# Altium PCB GL3520.PcbDoc (continued)
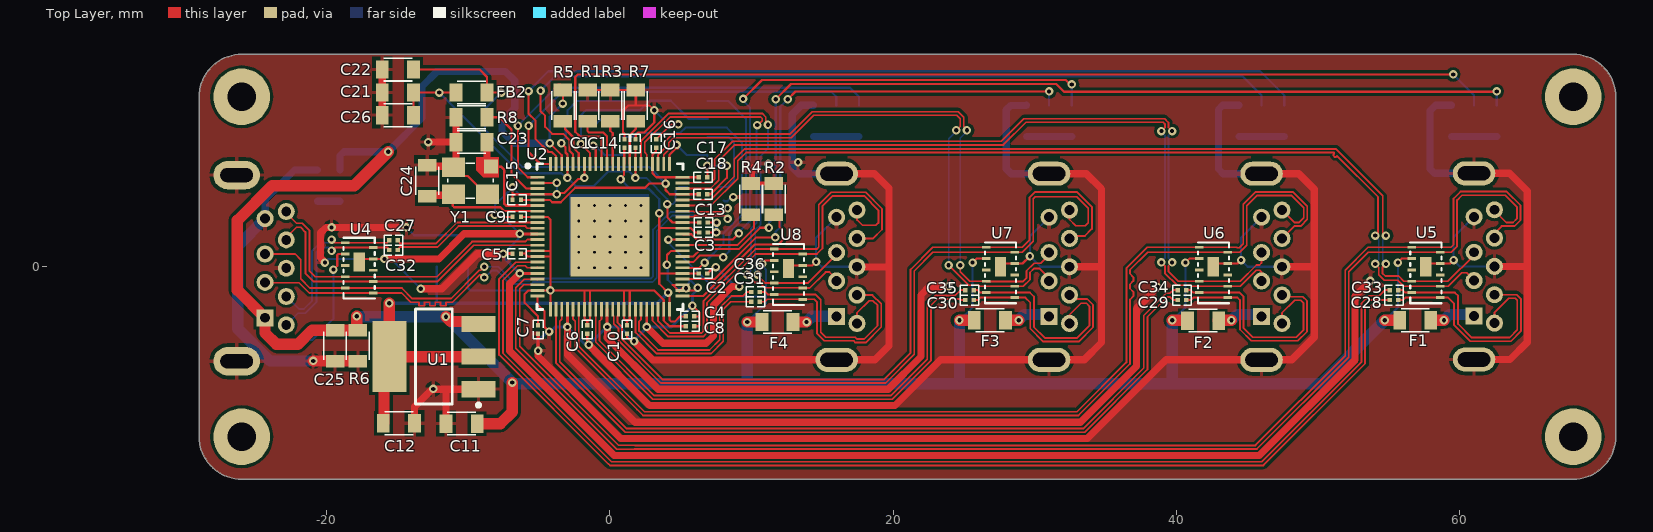
[diagram p0: Top Layer view]
## Nets (pads, with @x,y where several pads share a name; then routed paths per layer and width w, separated by ;. In a path a pad name is that pad's centre, name@x,y a point inside that pad or via, vN(x,y) a via of type N, cw(c..) or ccw(c..) an arc to the next point about the centre after c; other vN are vias at no path point) (continued)
  Bottom Layer w0.127: v1(-8.875,0) -7.895,0 -6.93,-0.965 -5.675,-0.965 -5.534,-0.825 2.9,-0.825 3.046,-0.679 3.046,2.63 4.291,3.875 8.125,3.875 8.35,4.1 8.325,4.125 v1(8.3,4.125)
D1_N: U2.61 U5.4 USB2.2 | length 66.5
  Top Layer w0.127: U2.61 7.125,4.325 9.025,6.225 9.025,7.471 9.621,8.067 51.133,8.067 51.133,7.988 51.071,7.926 51.071,7.854 51.179,7.746 51.251,7.746 51.32,7.815 51.335,7.815 54.225,4.925 54.225,2.4 v1(54.025,2.2) ; v1(54.025,0.2) 54.1,0.2 54.125,0.175 54.088,0.138 54.275,-0.05 54.275,-0.559 54.665,-0.948 55.614,-0.948 56.041,-1.375 U5.4 58.761,-1.375 59.175,-1.375 60.125,-0.425 60.498,-0.425 61,-0.927 USB2.2
  Bottom Layer w0.127: v1@54.025,0.263 54.273,0.511 ; v1(54.025,2.2) 54.025,2.138 54.273,1.89 54.273,0.525
D1_P: U2.62 U5.3 USB2.3 | length 66.6
  Top Layer w0.127: U2.62 7.125,4.725 8.771,6.371 8.771,7.576 9.515,8.321 51.239,8.321 54.554,5.005 54.554,3.05 ; 54.55,3.2 54.55,2.35 54.7,2.201 v1(54.775,2.201) ; v1(54.775,0.2) 54.529,-0.046 54.529,-0.454 54.725,-0.65 55.675,-0.65 56.05,-1.025 U5.3 59.15,-1.025 61,0.825 USB2.3
  Bottom Layer w0.127: v1(54.775,0.2) 54.775,0.263 54.55,0.488 54.55,1.913 v1@54.775,2.138
D1V2: C1.2 C2.2 C3.2 C4.2 C12.2 C19.2 FB1.2 U1.0 U1.2 U2.44 U2.49 U2.57 U2.75 | length 59.1
  Top Layer w0.152: v1(0.75,6.175) 0.75,6.25 1,6.5 U2.75 1.012,7.262 1.012,8.387 C1.2 ; v1(3.475,3.775) 3.475,2.725 ; C4.2 4.95,-3.5 4.575,-3.875 4.325,-3.875 4.2,-3.75 U2.44 4.2,-1.925 v1(4.1,-1.825) 3.475,-1.2 3.475,-0.475 ; C2.2 U2.49 5.122,-0.472 3.917,-0.472 3.914,-0.475 3.475,-0.475 ; C3.2 6.025,2.425 5.725,2.725 U2.57 3.475,2.725 ; 3.475,-0.475 3.475,2.725
  Top Layer w0.8: C12.2 -15.95,-11 -15.95,-6.711 U1.0 ; v1(-15.575,-2.575) -15.579,-2.579 U1.0 ; U1.2 U1.0
  Bottom Layer w0.152: -12.25,-2.575 -12.225,-2.55 FB1.2 -12.225,0 C19.2 ; v1(0.75,6.175) 1.4,5.525 2.725,5.525 3.475,4.775 v1(3.475,3.775)
  Bottom Layer w0.254: v1(-15.575,-2.575) -12.25,-2.575 -6.75,-2.575 3.35,-2.575 v1(4.1,-1.825)
D2_N: U2.64 U6.4 USB3.2 | length 56.1
  Top Layer w0.127: U2.64 5.525,5.525 7.1,5.525 7.675,6.1 7.675,7.471 8.804,8.6 27.775,8.6 29.371,10.196 39.054,10.196 39.175,10.075 39.175,9.826 v1(38.929,9.58) ; v1(38.929,0.305) 39.004,0.305 39.029,0.28 38.991,0.243 39.179,0.055 39.179,-0.454 40.034,-1.309 41.019,-1.309 41.084,-1.375 U6.4 44.498,-1.375 45.623,-0.25 45.869,-0.25 46,-0.381 USB3.2
  Bottom Layer w0.127: v1@38.929,0.368 39.177,0.616 ; v1(38.929,9.58) 38.929,9.517 39.177,9.269 39.177,0.625
D2_P: U2.65 U6.3 USB3.3 | length 55.8
  Top Layer w0.127: U2.65 7.125,5.925 7.375,6.175 7.375,7.57 8.655,8.85 8.695,8.85 8.699,8.854 27.629,8.854 29.225,10.45 39.159,10.45 39.429,10.18 39.429,9.83 39.616,9.643 39.579,9.605 39.604,9.581 v1(39.679,9.581) ; 39.433,0.059 39.433,-0.349 40.109,-1.025 U6.3 44.489,-1.025 45.641,0.127 45.852,0.127 46,0.275 USB3.3
  Bottom Layer w0.127: 39.431,0.616 39.679,0.368 v1(39.679,0.305) ; 39.431,0.625 39.431,9.27 v1@39.679,9.518
D3_N: U2.68 U7.4 USB4.2 | length 42.8
  Top Layer w0.127: U2.68 3.8,7.9 4.15,8.25 4.15,8.75 4.509,9.109 12.809,9.109 14.396,10.696 24.47,10.696 24.725,10.441 24.725,9.901 v1(24.454,9.63) ; v1(23.9,0.1) 23.921,0.1 25.3,-1.279 25.304,-1.279 25.325,-1.3 26.025,-1.3 26.1,-1.375 U7.4 29.184,-1.375 29.65,-0.909 29.65,-0.402 29.925,-0.127 30.327,-0.127 31,-0.8 USB4.2
  Bottom Layer w0.127: v1@23.921,0.1 23.921,9.034 24.454,9.567 v1(24.454,9.63)
D3_P: U2.69 U7.3 USB4.3 | length 42.9
  Top Layer w0.127: U2.69 3.4,7.9 3.896,8.396 3.896,8.855 4.404,9.363 12.704,9.363 14.291,10.95 24.575,10.95 24.979,10.546 24.979,9.896 v1@25.225,9.65 ; v1(24.725,0.1) 24.725,-0.341 25.405,-1.021 ; v1@25.104,9.655 25.129,9.631 v1(25.204,9.631) ; 25.405,-1.025 U7.3 26.6,-1.05 29.15,-1.05 29.396,-0.804 29.396,-0.297 29.943,0.25 30.398,0.25 31,0.852 USB4.3
  Bottom Layer w0.127: v1(24.725,0.1) 24.725,9.089 v1@25.204,9.568
D3V3: C13.2 C14.2 C21.2 C26.2 FB2.2 R9.2 R10.1 U2.58 U2.73 U2.85 U3.8 | length 42
  Top Layer w0.152: C26.2 C21.2 v1(-12.05,12.3) FB2.2 ; v1(-3.425,8.725) -3.134,8.434 -3.134,8.064 -3,7.93 U2.85 v1(-3,6.275) ; v1(1.8,6.275) U2.73 C14.2 ; v1(4.05,4.425) 4.05,3.492 4.417,3.125 U2.58 C13.2
  Bottom Layer w0.152: v1(-12.05,12.3) -6.35,6.6 -3.423,6.6 -3.098,6.275 v1(-3,6.275) -2.425,5.7 -1.15,5.7 -0.125,6.725 1.35,6.725 v1(1.8,6.275) 2.55,6.275 4.05,4.775 v1(4.05,4.425) 4.425,4.425 4.625,4.625 4.625,5.375 4.875,5.625 R10.1 ; v1(-3.425,8.725) -3.425,8.846 -3.125,9.146 R9.2@-3.125,9.95 ; R9.2 -2.989,10.261 -2.989,11.061 -2.345,11.705 U3.8
D4_N: U2.71 U8.4 USB5.2 | length 29.7
  Top Layer w0.127: U2.71 2.6,7.925 2.454,8.071 2.454,8.779 4.25,10.575 10.641,10.575 10.746,10.47 10.746,10.321 10.425,10 v1(10.401,10) ; v1(9.675,-0.55) 10.225,-1.1 10.566,-1.1 10.941,-1.475 13.575,-1.475 U8.4 14.1,-1.5 15.225,-0.375 15.498,-0.375 16,-0.877 USB5.2
  Bottom Layer w0.127: v1(9.675,-0.55) 9.95,-0.275 9.95,2.7 10.35,3.1 10.35,9.95 v1(10.401,10) v1@10.375,10
D4_P: U2.72 U8.3 USB5.3 | length 29.9
  Top Layer w0.127: U2.72 2.2,8.884 4.145,10.829 10.746,10.829 11,10.575 11,10.175 v1(11.15,10.025) ; v1@10.413,-0.525 v1@10.426,-0.538 ; v1(10.426,-0.55) v1@10.426,-0.538 ; USB5.3 16,0.877 13.973,-1.15 U8.3 10.975,-1.15 10.488,-0.663 10.488,-0.6 v1@10.426,-0.538
  Bottom Layer w0.127: v1@10.413,-0.525 10.25,-0.362 10.25,2.6 10.625,2.975 10.625,7.8 11.15,8.325 v1(11.15,10.025) v1@11.25,10.125
GREEN1: G1.1 U2.79 | length 72.6
  Top Layer w0.152: U2.79 -0.6,9.075 -0.721,9.196 -2.121,9.196 -2.45,9.525 -2.45,13.4 -2.275,13.575 v1(59.525,13.575)
  Bottom Layer w0.152: v1(59.525,13.575) 61,12.1 G1.1
GREEN2: G2.1 U2.84 | length 59.2
  Top Layer w0.152: v1(-4.9,12.425) -4.9,10.975 -4.575,10.65 -4.575,9.875 -4.081,9.381 -3.306,9.381 -2.854,8.929 -2.854,8.179 -2.6,7.925 U2.84
  Bottom Layer w0.152: v1(-4.9,12.425) -3.875,13.45 44.65,13.45 46,12.1 G2.1
GREEN3: G3.1 U2.48 | length 37.5
  Top Layer w0.152: U2.48 7.377,-0.875 10.327,2.075 v1(11.675,2.075) ; v1(12.55,11.825) 13.1,12.375 v1(31,12.375)
  Bottom Layer w0.152: v1(11.675,2.075) 11.675,2.45 12.025,2.8 12.025,11.3 v1(12.55,11.825) ; G3.1 v1(31,12.375)
GREEN4: G4.1 U2.88 | length 27.2
  Top Layer w0.152: v1(-5.75,9.95) -5.75,8.1 -4.9,7.25 U2.88
  Bottom Layer w0.152: v1(-5.75,9.95) -3.347,12.353 15.622,12.353 15.975,12 G4.1
NetA1_2: A1.2 G1.2 R11.2 | length 3.2
  Bottom Layer w0.508: R11.2 A1.2
NetA2_2: A2.2 G2.2 R12.2 | length 3.2
  Bottom Layer w0.508: R12.2 A2.2
NetA3_2: A3.2 G3.2 R13.2 | length 3.2
  Bottom Layer w0.508: R13.2 A3.2
NetA4_2: A4.2 G4.2 R14.2 | length 3.2
  Bottom Layer w0.508: R14.2 A4.2
NetF1_2: F1.2 USB2.1 | length 3.2
  Top Layer w0.8: F1.2@57.925,-3.775 v1(58.875,-3.775)
  Bottom Layer w0.8: v1(58.875,-3.775) 59.275,-3.375 USB2.1@61,-3.375
NetF2_2: F2.2 USB3.1 | length 3.2
  Top Layer w0.8: F2.2@42.925,-3.775 v1(43.875,-3.775)
  Bottom Layer w0.8: v1(43.875,-3.775) 44.275,-3.375 USB3.1@46,-3.375
NetF3_2: F3.2 USB4.1 | length 3.8
  Top Layer w0.8: F3.2@27.9,-3.775 v1(28.85,-3.775)
  Bottom Layer w0.203: USB4.1@30.575,-3.775 USB4.1@30.975,-3.375
  Bottom Layer w0.8: v1(28.85,-3.775) 29.25,-3.375 USB4.1@30.975,-3.375
NetF4_2: F4.2 USB5.1 | length 3.2
  Top Layer w0.8: F4.2 v1(13.875,-3.9)
  Bottom Layer w0.8: v1(13.875,-3.9) 14.275,-3.5 USB5.1
NetPOW_2: POW.2 R15.2 | length 1.6
  Bottom Layer w0.508: R15.2 POW.2
NetR9_1: R9.1 U3.7 | length 2
  Bottom Layer w0.152: R9.1 -0.615,10.435 U3.7
NetR10_2: R10.2 U3.3 | length 6
  Bottom Layer w0.152: U3.3 8.385,9.165 8.753,8.797 8.753,6.103 8.275,5.625 R10.2
OVCUR1: R1.2 U2.78 | length 4.2
  Top Layer w0.152: R1.2 -1.575,9.575 -1.475,9.475 -0.475,9.475 -0.2,9.2 U2.78
OVCUR2: R2.2 U2.45 | length 11
  Top Layer w0.152: U2.45 6.572,-2.075 10.219,1.572 11.883,1.572 12.178,1.867 12.178,2.597 11.975,2.8 11.975,3.625 12.025,3.675 R2.2
OVCUR3: R3.2 U2.77 | length 3.1
  Top Layer w0.152: R3.2 0.025,9.6 0.2,9.425 U2.77
OVCUR4: R4.2 U2.54 | length 6.6
  Top Layer w0.152: U2.54 5.701,1.525 8.987,1.525 10.175,2.713 10.175,3.45 R4.2
P_SPI_CK: U2.50 U3.6 | length 20.4
  Top Layer w0.152: U2.50 5.701,-0.075 6.3,-0.075 v1(6.675,0.3)
  Bottom Layer w0.152: U3.6 1.611,9.165 1.896,9.45 4.962,9.45 5.337,9.825 8.246,9.825 9.316,8.754 9.316,3.679 8.025,2.388 8.025,1.65 v1(6.675,0.3)
P_SPI_CZ: U2.51 U3.1 | length 16.8
  Top Layer w0.152: U2.51 5.875,0.325 6.353,0.803 7.872,0.803 v1(8,0.675)
  Bottom Layer w0.152: U3.1 8.345,11.705 9.596,10.454 9.596,3.564 8.425,2.393 8.425,1.1 v1(8,0.675)
P_SPI_DI: U2.81 U3.2 | length 13.6
  Top Layer w0.152: v1(-2.05,8.675) -1.4,8.025 U2.81
  Bottom Layer w0.152: v1(-2.05,8.675) -2.05,10.7 -1.7,11.05 2.125,11.05 2.8,11.725 4.287,11.725 5.577,10.435 U3.2
P_SPI_DO: U2.80 U3.5 | length 4
  Top Layer w0.152: v1(-1.175,8.55) -1.175,8.4 -1.15,8.375 -1,8.525 U2.80
  Bottom Layer w0.152: v1(-1.175,8.55) -1.025,8.55 -0.85,8.375 -0.37,7.895 U3.5
PGANG: R7.2 U2.74 | length 3.3
  Top Layer w0.152: U2.74 1.4,9.3 1.825,9.725 1.825,10.1 R7.2@1.65,10.275
PWREN1: C1.1 C2.1 C3.1 C4.1 C5.1 C6.1 C7.1 C8.1 C9.1 C10.1 C11.1 C12.1 C13.1 C14.1 C15.1 C16.1 C17.1 C18.1 C19.1 C20.1 C21.1 C22.1 C23.1 C24.1 C25.1 C26.1 R1.1 R2.1 R3.1 R4.1 R6.1 R7.1 R8.1 R11.1 R12.1 R13.1 R14.1 R15.1 U1.1 U2.2 U2.4 U2.11 U2.18 U2.22 U2.26 U2.33 U2.40 U2.46 U2.47 U2.53 U2.67 U2.82 U2.89 U3.4 U4.7 U4.11 U5.7 U5.11 U6.7 U6.11 U7.7 U7.11 U8.7 U8.11 USB1.4 USB1.7 USB1.10 USB1.11 USB2.4 USB2.7 USB2.G1 USB2.G2 USB3.4 USB3.7 USB3.G1 USB3.G2 USB4.4 USB4.7 USB4.G1 USB4.G2 USB5.4 USB5.7 USB5.G1 USB5.G2 Y1.2 Y1.4 | length 618.6
  Top Layer w0.152: U4.11 -17.475,0.55 v1(-15.925,0.55) ; Y1.2 -10.426,6.401 -10.026,6.401 -8.75,5.125 Y1.4 ; v1(-8.125,3.675) -7.975,3.525 C9.1 ; C15.1 -6.875,5.125 ; v1(-6.875,5.6) -6.875,5.125 ; U2.22 -5.125,-2.65 -4.625,-3.15 -4.625,-4.25 v1(-4.3,-4.575) ; U2.2 v1(-3.75,5.925) ; U2.82 v1(-1.8,6.275) -1.886,6.189 -2.26,6.189 -3.238,5.211 -3.664,5.211 v1(-3.75,5.125) U2.4 -6.875,5.125 ; C6.1 -1.6,-5.4 v1(-1.5,-5.5) ; R1.1 R3.1 R7.1@1.65,12.475 ; C1.1 1.025,9.375 0.925,9.475 0.925,11.025 1.275,11.375 1.825,11.375 ; C10.1 1.201,-4.726 1.201,-4.974 1.477,-5.25 v1(1.7,-5.25) ; C14.1 1.825,9.025 1.825,9.3 2.006,9.481 2.419,9.481 3.125,10.186 v1(3.125,11.05) 2.8,11.375 1.825,11.375 ; R7.1 1.825,11.375 ; C16.1 4.325,10.05 v1(4.825,10.05) ; v1(4.025,0.15) 4.025,0.825 4.325,1.125 U2.53 ; U2.67 4.2,7.9 4.664,8.364 4.789,8.364 4.7,8.453 v1(4.7,8.6) ; U2.46 6,-1.675 v1(6.2,-1.475) ; U2.47 4.425,-1.275 4.9,-1.75 5.125,-1.525 v1(5.375,-1.525) ; v1(5.825,-2.75) 6.329,-3.254 6.329,-3.5 ; C8.1@6.025,-4.2 6.24,-4.2 6.329,-4.111 6.329,-3.5 ; C4.1@6.025,-3.5 6.329,-3.5 ; C18.1 7.1,5.125 8.25,6.275 v1(8.25,7.125) ; C17.1 v1(6.875,7.125) ; C3.1 v1@7.3,2.425 ; C13.1 v1@7.3,3.125 ; U8.11 12.825,0.1 U8.7 14.3,0.1 v1(14.55,0.35) ; U7.11 27.8,0.225 U7.7 29.125,0.225 v1(29.65,0.75) ; U6.11 42.825,0.225 U6.7 44.3,0.225 v1(44.55,0.475) ; U5.11 57.825,0.225 U5.7 59.3,0.225 v1(59.55,0.475)
  Top Layer w0.203: v1(-7.525,0.925) C5.1 ; v1(-6.375,-0.475) U2.18 ; v1(-6.375,2.325) U2.11 ; v1(-5.075,-5.925) C7.1 ; v1(-3,-4.25) U2.26 ; v1(-0.2,-4.25) U2.33 ; v1(2.6,-4.25) U2.40 ; C2.1 7.325,-0.025 v1(7.475,-0.025)
  Top Layer w0.254: 10.1,7.125 10.1,6.025 R4.1 R2.1
  Top Layer w0.508: v1(-20.125,0.3) -20.125,0.325 -20.425,0.625 -20.425,2.4 -20.05,2.775 -19.685,2.775 -19.668,2.757 v1(-19.65,2.775) v1(-14.375,2.775) ; C26.1 C21.1 C22.1 ; v1(-15.925,0.55) -12.075,0.55 -10.3,2.325 v1(-6.375,2.325) ; C12.1 -13.8,-9.875 -12.565,-8.64 -11.575,-8.64 ; v1@-13.225,-1.55 -11.85,-1.55 -9.375,0.925 v1(-7.525,0.925) ; C24.1 -12.825,7.1 -11.125,7.1 Y1.2 -10.875,7.2 C23.1 ; v1(-12.825,8.8) C23.1 ; C11.1 -11.575,-8.64 ; R8.1 C23.1 ; U1.1 -11.575,-8.64 ; v1(-6.375,-0.475) -7.1,-1.2 -7.1,-5.925 0.3,-13.325 45.838,-13.325 52.606,-6.557 52.606,-2.069 v1(53.675,-1) ; v1(-5.075,-5.925) -5.075,-6.296 0.752,-12.124 33.692,-12.124 39.245,-6.57 USB3.G1 48.13,-6.57 49.725,-4.975 49.725,5.475 48.63,6.57 USB3.G2 ; v1(-3,-4.25) -3,-6.205 1.77,-10.975 33.22,-10.975 37.16,-7.035 37.16,-2.965 v1(38.687,-1.438) ; v1(-1.5,-5.5) 2.792,-9.791 20.118,-9.791 23.339,-6.57 USB4.G1 33.48,-6.57 34.7,-5.35 34.7,5.5 33.63,6.57 USB4.G2 ; v1(-0.2,-4.25) -0.182,-4.268 -0.182,-5.055 3.411,-8.648 19.645,-8.648 21.956,-6.338 21.956,-1.994 22.575,-1.375 v1(23.9,-1.375) ; v1(1.7,-5.25) 3.023,-6.573 7.314,-6.573 7.318,-6.57 USB5.G1 18.705,-6.57 19.7,-5.575 19.7,-0.012 ; v1(2.6,-4.25) 3.75,-5.4 6.784,-5.4 7.301,-4.883 7.301,-2.72 8.621,-1.4 v1(9.125,-1.4) ; USB5.G2 18.68,6.57 19.7,5.55 19.7,-0.012 ; USB5.7 17.452,-0.012 19.7,-0.012 ; USB4.7 34.688,0 ; USB3.7 49.688,0 ; USB2.G1 63.53,-6.545 64.75,-5.325 64.75,5.35 63.505,6.595 USB2.G2 ; USB2.7 64.688,0.025
  Top Layer w0.8: v1(-20.95,-6.65) -17.825,-6.65 R6.1
  Bottom Layer w0.152: v1(-20.125,0.3) -19.875,0.55 v1(-15.925,0.55) -15.45,0.55 v1(-13.35,-1.55) ; v1(-14.375,2.775) -13.825,2.225 C20.1 ; v1(-7.525,0.925) -6.461,1.989 -6.461,2.239 v1(-6.375,2.325) -7.639,3.589 -8.039,3.589 v1(-8.125,3.675) -8.125,4.35 v1(-6.875,5.6) -6.4,5.125 v1(-3.75,5.125) v1(-3.75,5.925) ; v1(3.125,11.05) 4.125,10.05 v1(4.825,10.05) ; v1(4.025,0.15) 4.075,0.1 4.075,-0.925 4.675,-1.525 v1(5.375,-1.525) 5.375,-1.3 5.7,-0.975 v1(6.2,-1.475) ; v1(4.7,8.6) 4.7,8.625 4.509,8.816 5.43,7.895 6.85,7.895 6.875,7.87 v1(6.875,7.125) v1(8.25,7.125) ; 8.031,4.675 8.078,4.628 8.282,4.628 8.579,4.925 v1(8.7,4.925) ; USB5.4 14.55,2.05 v1(14.55,0.35) 14.597,0.35 14.947,0 USB5.7 ; USB4.4 29.65,2.15 v1(29.65,0.75) 30.4,0 USB4.7 ; USB3.4 44.55,2.05 v1(44.55,0.475) 45.025,0 USB3.7 ; USB2.4 59.55,2.075 v1(59.55,0.475) 60,0.025 USB2.7
  Bottom Layer w0.203: v1(-7.525,0.925) -7.449,0.849 -7.449,0.599 v1(-6.375,-0.475) ; v1(-5.075,-5.925) -5.075,-5.225 -4.788,-4.938 -4.771,-4.938 -4.407,-4.575 v1(-4.3,-4.575) -4.193,-4.575 -3.868,-4.25 v1(-3,-4.25) -1.826,-5.424 -1.576,-5.424 v1(-1.5,-5.5) -1.475,-5.5 -0.225,-4.25 v1(-0.2,-4.25) 0.7,-4.25 v1(1.7,-5.25) 1.7,-5.2 2.6,-4.3 v1(2.6,-4.25) 4.325,-4.25 v1(5.825,-2.75) 5.825,-1.955 6.2,-1.58 v1(6.2,-1.475) ; v1(7.475,-0.025) 8.774,-1.324 9.049,-1.324 v1(9.125,-1.4) ; v1(7.5,2.425) 7.513,2.437 7.513,3.113 v1(7.525,3.125)
  Bottom Layer w0.508: USB1.11 USB1.11@-25.995,6.825 ; USB1.4 -24.338,3.412 -24.338,4.762 -22.275,6.825 R15.1 ; R14.1 13.5,11.4 12.875,10.775 12.875,7.025 13.33,6.57 USB5.G2 ; R13.1 29.377,11.375 28.273,11.375 27.975,11.077 27.975,6.925 28.33,6.57 USB4.G2 ; R12.1 43.248,11.4 42.95,11.103 42.95,6.9 43.28,6.57 USB3.G2 ; R11.1 58.275,11.4 57.9,11.025 57.9,6.9 58.205,6.595 USB2.G2
  Bottom Layer w0.8: USB1.11 USB1.11@-26.025,6.47 ; USB1.4 -26.275,1.475 -26.275,-4.375 -24,-6.65 v1(-20.95,-6.65)
  other v1: -12.475,-8.625 11.175,7.275 13.275,7.375
  other v2: -2.2,-0.075 -1.1,-0.075 0,-0.075 1.1,-0.075 2.2,-0.075 -2.2,1.025 -1.1,1.025 0,1.025 1.1,1.025 2.2,1.025 -2.2,2.125 -1.1,2.125 0,2.125 1.1,2.125 2.2,2.125 -2.2,3.225 -1.1,3.225 0,3.225 1.1,3.225 2.2,3.225 -2.2,4.325 -1.1,4.325 0,4.325 1.1,4.325 2.2,4.325
RESET: R5.1 U2.83 | length 3.4
  Top Layer w0.152: R5.1@-3.175,10.275 -3.175,9.725 -2.575,9.125 -2.575,8.4 -2.2,8.025 U2.83
RTERM: R8.2 U2.3 | length 7.5
  Top Layer w0.152: R8.2 -7.811,10.55 -6.95,9.689 -6.95,6.575 -5.9,5.525 U2.3
RX_DS1_N: U2.19 U5.5 USB2.5 | length 96.1
  Top Layer w0.127: U2.19 -6.05,-0.875 -6.65,-1.475 -6.65,-2.75 -6.65,-5.739 0.486,-12.875 1.7,-12.875 1.71,-12.865 45.67,-12.865 52.161,-6.373 52.161,-0.339 53.525,1.025 59.384,1.025 59.804,1.445 59.804,4.704 60.15,5.05 63.2,5.05 64.025,4.225 64.025,3.4 63.75,3.125 63.275,3.125 USB2.5@62.25,4.15
  Top Layer w0.152: U2.19@-5.15,-0.9 U2.19
RX_DS1_P: U2.20 U5.6 USB2.6 | length 95.8
  Top Layer w0.127: U2.20 -5.525,-1.275 -6.091,-1.275 -6.375,-1.559 -6.375,-2.75 -6.375,-5.625 0.6,-12.6 1.75,-12.6 1.76,-12.611 45.565,-12.611 51.907,-6.268 51.907,-0.234 53.516,1.375 U5.6 59.375,1.375 59.55,1.55 59.55,4.809 60.045,5.304 63.305,5.304 64.279,4.33 64.279,3.295 63.855,2.871 62.946,2.871 62.44,2.365 USB2.6
RX_DS2_N: U2.27 U6.5 USB3.5 | length 71.9
  Top Layer w0.127: U2.27 -2.6,-3.7 -2.454,-3.846 -2.454,-5.705 1.916,-10.075 2.331,-10.49 33.076,-10.49 36.711,-6.855 36.711,-2.314 36.95,-2.075 36.95,-1.775 36.711,-1.536 36.711,-1.239 36.95,-1 36.95,-0.737 36.711,-0.499 36.711,-0.214 37.95,1.025 44.456,1.025 44.954,1.523 44.954,4.304 45.671,5.021 48.129,5.021 48.975,4.175 48.975,3.45 48.654,3.129 48.321,3.129 USB3.5@47.3,4.15
  Top Layer w0.152: U2.27 U2.27@-2.575,-3.025
RX_DS2_P: U2.28 U6.6 USB3.6 | length 71.6
  Top Layer w0.127: U2.28 -2.2,-3.4 -2.2,-4.75 -2.2,-5.6 2.436,-10.236 12.077,-10.236 32.971,-10.236 36.457,-6.75 36.457,-0.108 37.941,1.375 U6.6 44.25,1.375 44.28,1.345 44.416,1.345 44.7,1.628 44.7,4.409 45.566,5.275 48.234,5.275 49.229,4.28 49.229,3.345 48.759,2.875 48.315,2.875 USB3.6
RX_DS3_N: U2.34 U7.5 USB4.5 | length 51.1
  Top Layer w0.127: U2.34 0.2,-3.4 0.273,-3.473 0.273,-4.029 0.606,-4.362 0.606,-5.215 3.595,-8.204 19.46,-8.204 21.479,-6.185 21.479,-0.296 22.8,1.025 U7.5 29.1,1.025 29.879,1.804 29.879,4.8 30.025,4.946 32.945,4.946 33.771,4.12 33.771,3.121 33.55,2.9 32.875,2.9 32.44,3.335 USB4.5
  Top Layer w0.152: U2.34 U2.34@0.225,-3.025
RX_DS3_P: U2.35 U7.6 USB4.6 | length 51.2
  Top Layer w0.127: U2.35 0.6,-3.4 0.527,-3.473 0.527,-3.924 0.86,-4.257 0.86,-5.109 3.7,-7.95 19.355,-7.95 21.225,-6.08 21.225,-0.191 22.791,1.375 U7.6 29.091,1.375 29.625,1.909 29.625,4.905 29.995,5.275 32.975,5.275 34.025,4.225 34.025,2.675 33.525,2.175 32.615,2.175 USB4.6
RX_DS4_N: U2.41 U8.5 USB5.5 | length 28.1
  Top Layer w0.127: U2.41 3,-3.8 4.129,-4.929 6.58,-4.929 6.85,-4.659 6.85,-2.534 10.284,0.9 U8.5 14.609,0.9 15,1.291 15,4.266 15.734,5 17.941,5 18.95,3.991 18.95,3.1 18.775,2.925 17.825,2.925 17.44,3.31 USB5.5
  Top Layer w0.152: U2.41 U2.41@3.025,-3.025
RX_DS4_P: U2.42 U8.6 USB5.6 | length 28.1
  Top Layer w0.127: U2.42 3.4,-3.4 3.4,-3.841 4.234,-4.675 6.475,-4.675 6.596,-4.554 6.596,-2.429 10.275,1.25 U8.6 14.6,1.25 14.746,1.396 14.746,4.371 15.629,5.254 18.046,5.254 19.204,4.096 19.204,2.629 18.575,2 USB5.6
RX_UP_N: U2.12 U4.3 USB1.5 | length 22.5
  Top Layer w0.127: USB1.5 -22.85,3.795 -22.127,3.073 -21.727,3.073 -21.221,2.566 -21.221,-0.279 -20.8,-0.7 -16.225,-0.7 ; -16.221,-0.7 -12.209,-0.7 -9.73,1.779 -5.971,1.779 -5.825,1.925 U2.12 U2.12@-5.15,1.9
RX_UP_P: U2.13 U4.4 USB1.6 | length 22.5
  Top Layer w0.127: USB1.6 -22.85,2.071 -22.127,2.793 -21.843,2.793 -21.5,2.45 -21.5,-0.45 -20.9,-1.05 U4.4 -16.225,-1.05 ; -16.221,-1.05 -12.2,-1.05 -9.625,1.525 -5.525,1.525 U2.13
TX_DS1_N: C28.2 U2.16 | length 82
  Top Layer w0.127: U2.16 -5.525,0.325 -6.65,0.325 -7.825,-0.85 -7.825,-2.75 -7.825,-6.226 -0.126,-13.925 -0.096,-13.925 -0.092,-13.929 -0.084,-13.929 0.01,-14.024 46.127,-14.024 53.304,-6.847 53.304,-2.696 53.65,-2.35 C28.2@55.075,-2.35
TX_DS1_P: C33.2 U2.17 | length 81.4
  Top Layer w0.127: U2.17 -5.825,-0.075 -5.971,0.071 -6.529,0.071 -7.55,-0.95 -7.55,-6.112 0.013,-13.675 0.021,-13.675 0.116,-13.77 46.022,-13.77 53.05,-6.741 53.05,-2.591 53.591,-2.05 54.3,-2.05 54.7,-1.65 C33.2@55.075,-1.65
  Top Layer w0.152: U2.17@-5.15,-0.05 U2.17
TX_DS1E_N: C28.1 U5.2 USB2.8 | length 15.5
  Top Layer w0.127: C28.1 55.975,-2.35 56.15,-2.175 U5.2 59.175,-2.175 59.576,-2.576 59.576,-4.101 60.729,-5.254 63.605,-5.254 64.304,-4.555 64.304,-2.254 64.025,-1.975 USB2.8
TX_DS1E_P: C33.1 U5.1 USB2.9 | length 16.1
  Top Layer w0.127: C33.1 55.975,-1.65 56.15,-1.825 U5.1 59.65,-1.825 59.875,-2.05 59.875,-4.041 60.834,-5 63.5,-5 64.05,-4.45 64.05,-2.359 63.92,-2.229 63.446,-2.229 62.44,-3.235 USB2.9
TX_DS2_N: C29.2 U2.24 | length 55.9
  Top Layer w0.127: U2.24 -3.8,-3.4 -3.8,-4.75 -3.8,-6.81 1.069,-11.679 22.565,-11.679 33.508,-11.679 37.937,-7.25 37.937,-3.547 39.357,-2.127 39.527,-2.127 39.75,-2.35 C29.2
TX_DS2_P: C34.2 U2.25 | length 55.6
  Top Layer w0.127: U2.25 -3.4,-3.7 -3.546,-3.846 -3.546,-6.705 1.174,-11.425 33.403,-11.425 37.683,-7.145 37.683,-3.442 39.252,-1.873 39.527,-1.873 39.75,-1.65 C34.2
  Top Layer w0.152: U2.25@-3.425,-3.025 U2.25
TX_DS2E_N: C29.1 U6.2 USB3.8 | length 15.5
  Top Layer w0.127: C29.1 41,-2.35 41.175,-2.175 U6.2 44.3,-2.175 44.476,-2.351 44.476,-4.431 45.274,-5.23 48.555,-5.23 49.204,-4.58 49.204,-2.404 48.911,-2.111 47.44,-2.111 USB3.8
TX_DS2E_P: C34.1 U6.1 USB3.9 | length 15.8
  Top Layer w0.127: C34.1 41,-1.65 41.175,-1.825 U6.1 44.45,-1.825 44.73,-2.105 44.73,-4.326 45.38,-4.976 48.449,-4.976 48.95,-4.475 48.95,-2.55 48.765,-2.365 48.335,-2.365 47.44,-3.26 USB3.9
TX_DS3_N: C30.2 U2.31 | length 35.3
  Top Layer w0.127: U2.31 -1,-3.4 -1,-4.75 -1,-5.313 3.034,-9.347 19.934,-9.347 22.654,-6.627 22.654,-2.733 23.112,-2.275 24.675,-2.275 24.75,-2.35 C30.2
TX_DS3_P: C35.2 U2.32 | length 35.1
  Top Layer w0.127: U2.32 -0.6,-3.7 -0.746,-3.846 -0.746,-4.75 -0.746,-5.208 3.139,-9.093 19.829,-9.093 22.4,-6.522 22.4,-2.627 23.006,-2.021 24.379,-2.021 24.75,-1.65 C35.2
  Top Layer w0.152: U2.32@-0.625,-3.025 U2.32
TX_DS3E_N: C30.1 U7.2 USB4.8 | length 14.8
  Top Layer w0.127: C30.1 25.975,-2.35 26.15,-2.175 U7.2 29.325,-2.175 29.671,-2.521 29.671,-4.355 30.595,-5.279 33.08,-5.279 34.1,-4.259 34.1,-2.675 33.7,-2.275 32.715,-2.275 USB4.8
TX_DS3E_P: C35.1 U7.1 USB4.9 | length 15
  Top Layer w0.127: C35.1 25.975,-1.65 26.15,-1.825 U7.1 29.65,-1.825 29.925,-2.1 29.925,-4.25 30.7,-5.025 32.975,-5.025 33.846,-4.154 33.846,-2.78 33.641,-2.575 33.25,-2.575 32.44,-3.385 USB4.9
TX_DS4_N: C31.2 U2.38 | length 13.3
  Top Layer w0.127: U2.38 1.8,-3.4 1.8,-4.634 3.295,-6.129 7.13,-6.129 8,-5.259 8,-3.009 8.534,-2.475 C31.2
TX_DS4_P: C36.2 U2.39 | length 13.1
  Top Layer w0.127: U2.39 2.2,-3.7 2.054,-3.846 2.054,-4.529 3.4,-5.875 7.025,-5.875 7.746,-5.154 7.746,-2.904 8.579,-2.071 9.379,-2.071 9.675,-1.775 C36.2
  Top Layer w0.152: U2.39@2.175,-3.025 U2.39
TX_DS4E_N: C31.1 U8.2 USB5.8 | length 15.3
  Top Layer w0.127: C31.1 10.925,-2.475 11.1,-2.3 U8.2 14.416,-2.3 14.621,-2.505 14.621,-4.726 15.124,-5.23 17.205,-5.23 17.33,-5.354 18.046,-5.354 19.15,-4.25 19.15,-2.625 18.525,-2 USB5.8
TX_DS4E_P: C36.1 U8.1 USB5.9 | length 15.5
  Top Layer w0.127: C36.1 10.95,-1.775 11.125,-1.95 U8.1 14.5,-1.95 14.875,-2.325 14.875,-4.621 15.23,-4.976 17.31,-4.976 17.435,-5.1 17.941,-5.1 18.896,-4.145 18.896,-2.73 18.566,-2.4 18.3,-2.4 17.44,-3.26 USB5.9
TX_UP_N: C27.2 U2.9 | length 10.6
  Top Layer w0.127: C27.2 -14.889,1.788 -14.889,1.726 -14.814,1.652 -12.273,1.652 -10.8,3.125 -5.525,3.125 U2.9
TX_UP_P: C32.2 U2.10 | length 10.7
  Top Layer w0.127: C32.2 -14.889,1.261 -14.889,1.324 -14.814,1.398 -12.168,1.398 -10.695,2.871 -5.971,2.871 -5.825,2.725 U2.10 U2.10@-5.15,2.75
TX_UPE_N: C27.1 U4.6 USB1.8 | length 11.9
  Top Layer w0.127: v1(-19.65,1.925) -19.425,1.7 -19.3,1.7 U4.6 -16.2,1.7 -15.703,1.7 -15.649,1.754 -15.649,1.801 C27.1
  Bottom Layer w0.127: USB1.8 -21.975,-2.975 -21.6,-2.975 -21.025,-2.4 -21.025,1.125 -20.45,1.7 -19.875,1.7 v1(-19.65,1.925)
TX_UPE_P: C32.1 U4.5 USB1.9 | length 11.9
  Top Layer w0.127: v1(-19.65,1.125) -19.425,1.35 U4.5 -15.703,1.35 -15.649,1.296 -15.649,1.249 C32.1
  Bottom Layer w0.127: USB1.9 -22.025,-3.275 -21.5,-3.275 -20.725,-2.5 -20.725,1.025 -20.4,1.35 -19.875,1.35 v1(-19.65,1.125)
VBUS: C11.2 C25.2 F1.1 F2.1 F3.1 F4.1 POW.1 R5.2 R6.2 U1.3 U2.55 U2.86 U4.8 U5.8 U6.8 U7.8 U8.8 USB1.1 | length 210.2
  Top Layer w0.152: v1(-19.525,-0.2) -19.25,0.075 -19.25,0.811 -19.161,0.9 U4.8 ; v1@-4.2,8.725 v1(-4.25,8.725) -3.4,7.875 U2.86 ; v1(-3.325,11.525) R5.2 ; v1(4.125,1.925) U2.55 ; v1(10.75,0.225) 10.975,0.45 U8.8 ; v1(25.6,0.3) 25.875,0.575 U7.8 ; v1(40.625,0.3) 40.9,0.575 U6.8 ; v1(55.625,0.3) 55.9,0.575 U5.8
  Top Layer w0.8: v1(-17.875,-3.5) -17.875,-4.4 R6.2 C25.2 -21.025,-4.475 -22.025,-5.475 -23.55,-5.475 -24.35,-4.675 USB1.1 -26.3,-1.65 -26.3,3.275 -23.85,5.725 -18.05,5.725 v1(-15.65,8.125) ; v1(-11.575,-3.525) -11.235,-3.865 -9.454,-3.865 U1.3 ; C11.2 -7.725,-11.075 -6.9,-10.25 v1(-6.9,-8.175) ; R5.2@-3.575,12.525 -3.525,12.475 R5.2 ; v1(9.7,-3.9) F4.1 ; v1(24.675,-3.775) F3.1@25.7,-3.775 ; v1(39.7,-3.775) F2.1@40.725,-3.775 ; v1(54.7,-3.775) F1.1@55.725,-3.775
  Bottom Layer w0.152: USB1.1@-24.325,-3.625 -24.325,-4.35 -23.5,-5.175 -21.025,-5.175 -19.525,-3.675 v1(-19.525,-0.2) ; v1(-4.25,8.725) -4.25,10.6 v1(-3.325,11.525) ; v1(4.125,1.925) 4.125,1.7 7.925,-2.1 11.025,-2.1 ; v1(9.7,-3.9) 11.025,-2.575 11.025,-2.1 ; v1(10.75,0.225) 10.75,0.05 11.025,-0.225 11.025,-2.1 ; v1(24.675,-3.775) 25.6,-2.85 v1(25.6,0.3) ; v1(39.7,-3.775) 40.625,-2.85 v1(40.625,0.3) ; v1(54.7,-3.775) 55.625,-2.85 v1(55.625,0.3)
  Bottom Layer w0.508: POW.1 -19.052,7.848 -18.775,8.125 v1(-15.65,8.125) -13.275,10.5 -13.275,12.725 -12.225,13.775 -7.375,13.775 -6.725,13.125 -6.725,11.2 -7.625,10.3 -7.625,9.575 -6.775,8.725 v1(-4.25,8.725)
  Bottom Layer w0.8: v1@-17.875,-3.525 v1(-11.575,-3.525) -11.55,-3.525 v1(-6.9,-8.175) -6.825,-8.25 9.7,-8.25 9.7,-8.247 ; v1(9.7,-3.9) 9.7,-8.247 ; 20.353,-8.225 20.375,-8.247 ; v1(24.675,-3.775) 24.675,-8.247 20.375,-8.247 ; 39.7,-8.175 v1(39.7,-3.775) ; v1(54.7,-3.775) 50.225,-8.25 20.378,-8.25 20.375,-8.247 ; 9.7,-8.247 20.375,-8.247
X1: C23.2 U2.6 Y1.1 | length 7.7
  Top Layer w0.178: Y1.1@-8.675,7.34 Y1.1 -7.7,7.075 -7.45,6.825 -7.45,4.45 -7.325,4.325 U2.6
  Top Layer w0.508: Y1.1@-8.675,7.34 C23.2
X2: C24.2 U2.7 Y1.3 | length 8.8
  Top Layer w0.152: Y1.3@-11.1,5.075 -11.1,4.3 -11,4.2 -7.725,4.2 -7.45,3.925 U2.7 U2.7@-5.1,3.925
  Top Layer w0.508: C24.2 -12.825,5.05 -11.125,5.05 Y1.3@-11.1,5.075
pads on no net: U2.76 U4.9 U4.10 U5.9 U5.10 U6.9 U6.10 U7.9 U7.10 U8.9 U8.10

## Polygon pours and split planes (outlines as drawn)
PWREN1 on Bottom Layer "PWREN1_L02_P002" (solid, remove dead copper, pour order 2): -29,-12 -29,12 cw(c-26,12) -26,15 68,15 cw(c68,12) 71,12 71,-12 cw(c68,-12) 68,-15 -26,-15 cw(c-26,-12)
PWREN1 on Top Layer "PWREN1_L01_P006" (solid, remove dead copper, pour order 6): -29,-12 -29,12 cw(c-26,12) -26,15 68,15 cw(c68,12) 71,12 71,-12 cw(c68,-12) 68,-15 -26,-15 cw(c-26,-12)

## Other copper
Bottom Layer:
  rectangle net PWREN1: -2.875,-0.625 2.75,5.125

## Silkscreen, mask and mechanical layers (free items; w line width, h text height)
Bottom Overlay:
  text "SS" at -20.3,8.275 h3
  text "Made by 大尾巴狼" at 15.475,-10.85 h3
  text "USB3.1 HUB" at 61.075,-12.925 h6
  text "https://github.com/BigTailWolf-Github" at 15.5,-13.075 h2
Mechanical 1:
  the board outline again, w0.254
Mechanical 3:
  lines w0.127: -34.9,0 71.35,0 ; 14,0 18,0 ; 16,-2 16,2 ; 29,0 33,0 ; 31,-2 31,2 ; 44,0 48,0 ; 46,-2 46,2 ; 59,0 63,0 ; 61,-2 61,2